# Altium PCB PCB1.PcbDoc (part 2 of 2)
Units mm, origin at the board's own origin, x right, y up, seen from the top; angles counter-clockwise.
Board outline 95 x 50 mm, 4 copper layers (Top Layer, GND02, PWR03, Bottom Layer), stack 0.603 mm thick; 238 components, 164 nets, 720 pads, 505 vias.
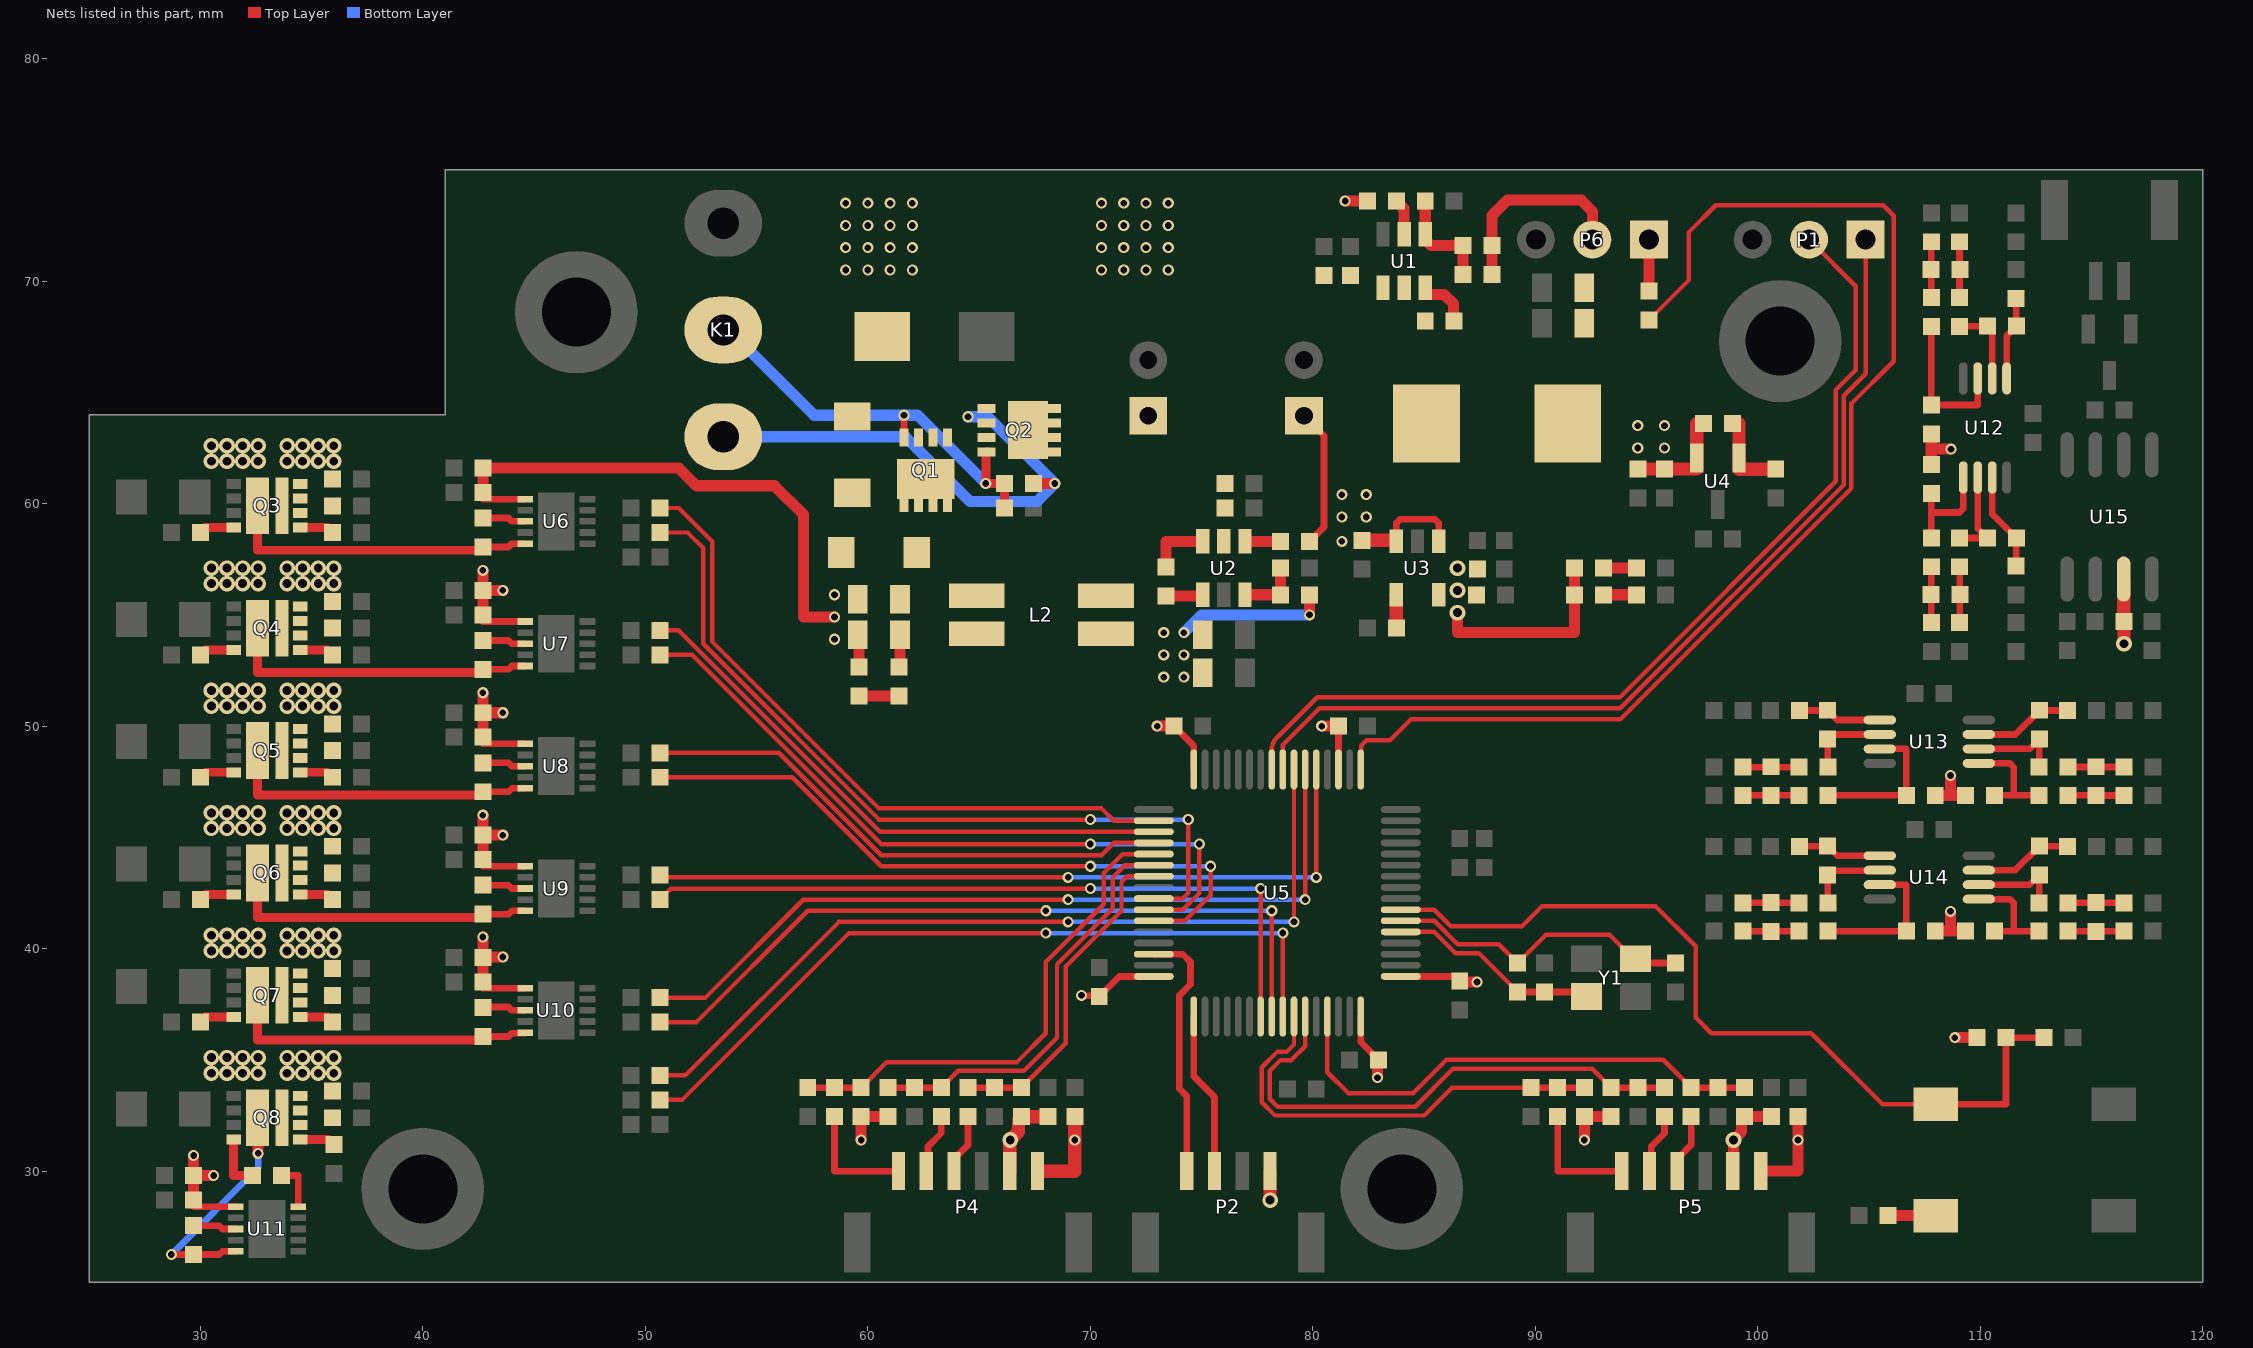
[diagram p4: the nets of this part, all layers, seen from the top]

## Via types
v1: diameter 0.5, hole 0.3, Top Layer to Bottom Layer, tented both sides, 292 vias
v2: diameter 0.7, hole 0.4, Top Layer to Bottom Layer, tented both sides, 213 vias

## Nets (pads, with @x,y where several pads share a name; then routed paths per layer and width w, separated by ;. In a path a pad name is that pad's centre, name@x,y a point inside that pad or via, vN(x,y) a via of type N, cw(c..) or ccw(c..) an arc to the next point about the centre after c; other vN are vias at no path point) (continued)
LO2_W: R45.1 U11.10 | length 2.1
  Top Layer w0.3: R45.1@33.65,29.8 34.4,29.8 U11.10@34.4,28.401
NetC1_1: C1.1 K1.2 Q1.S Q2.S | length 22.5
  Top Layer w0.5: C1.1@67.45,60.9 v1(68.4,60.9)
  Bottom Layer w0.5: K1.2@53.5,63 61.7,63 64.6,60.1 67.6,60.1 v1(68.4,60.9) 65.4,63.9 v1(64.5,63.9)
NetC1_2: C1.2 K1.1 Q1.G Q2.G R1.1 | length 19.1
  Top Layer w0.3: Q1.G@61.625,62.97 v1(61.625,63.97)
  Top Layer w0.4: Q2.G@65.33,62.325 65.315,62.325 65.315,60.915 v1(65.3,60.9) C1.2@66.15,60.9 R1.1@66.15,59.8
  Bottom Layer w0.5: K1.1@53.5,67.8 53.75,67.8 57.58,63.97 v1(61.625,63.97) 62.23,63.97 v1(65.3,60.9)
NetC6_1: C6.1 U1.6 | length 2.5
  Top Layer w0.5: U1.6@85.05,69.7 85.05,69.45 85.1,69.4 85.9,69.4 86.314,68.986 86.314,68.236 C6.1@86.35,68.2
NetC6_2: C6.2 L1.1 U1.5 | length 0.1
  Top Layer w0.254: L1.1@85.05,63.65 L1.1@85.1,63.6
NetC9_1: C9.1 R3.1 R4.1 U1.1 | length 4.9
  Top Layer w0.5: R4.1@85.05,73.6 85.05,71.85 85.3,71.6 R3.1@86.75,71.6 C9.1@86.75,70.3
NetC12_1: C12.1 U2.1 | length 1.7
  Top Layer w0.5: C12.1@73.4,55.85 75,55.85 U2.1@75.05,55.9
NetC12_2: C12.2 L2.2 U2.6 | length 2.8
  Top Layer w0.5: C12.2@73.4,57.15 73.4,58.3 U2.6@75.05,58.3
NetC22_2: C22.2 U3.4 | length 1.5
  Top Layer w0.6: C22.2@83.7,54.45 83.731,54.481 83.75,54.481 U3.4@83.75,55.9
NetC33_1: C33.1 U6.3 | length 2
  Top Layer w0.3: C33.1@42.7,59.35 43.85,59.35 44,59.2 U6.3@44.6,59.2
NetC34_1: C34.1 U7.3 | length 2
  Top Layer w0.3: C34.1@42.7,53.85 43.85,53.85 44,53.7 U7.3@44.6,53.7
NetC35_1: C35.1 U8.3 | length 2
  Top Layer w0.3: C35.1@42.7,48.35 43.85,48.35 44,48.2 U8.3@44.6,48.2
NetC48_1: C48.1 U9.3 | length 2
  Top Layer w0.3: C48.1@42.7,42.85 43.85,42.85 44,42.7 U9.3@44.6,42.7
NetC49_1: C49.1 U10.3 | length 2
  Top Layer w0.3: C49.1@42.7,37.375 43.85,37.375 44,37.225 U10.3@44.6,37.225
NetC50_1: C50.1 U11.3 | length 2
  Top Layer w0.3: C50.1@29.7,27.55 30.85,27.55 31,27.4 U11.3@31.6,27.4
NetC64_1: C64.1 R58.2 R59.1 | length 2.5
  Top Layer w0.3: R59.1@109.06,69.255 R58.2@109.06,71.765
NetC64_2: C64.2 R50.2 R51.1 | length 2.5
  Top Layer w0.3: R51.1@107.79,69.255 R50.2@107.79,71.765
NetC65_1: C65.1 R61.2 R62.1 | length 2.5
  Top Layer w0.3: R61.2@109.06,54.65 109.068,54.657 109.068,57.152 R62.1@109.06,57.16
NetC65_2: C65.2 R53.2 R54.1 | length 2.5
  Top Layer w0.3: C65.2@107.775,55.905 107.79,55.905 R54.1@107.79,57.16 ; C65.2@107.783,55.898 107.783,54.657 R53.2@107.79,54.65
NetC69_1: C69.1 R72.2 R73.1 | length 2.5
  Top Layer w0.3: R72.2@99.333,48.157 R73.1@101.843,48.157
NetC69_2: C69.2 R64.2 R65.1 | length 2.5
  Top Layer w0.3: R64.2@99.333,46.887 R65.1@101.843,46.887
NetC70_1: C70.1 R75.2 R76.1 | length 2.5
  Top Layer w0.3: R76.1@113.938,48.157 113.946,48.165 116.441,48.165 R75.2@116.448,48.157
NetC70_2: C70.2 R67.2 R68.1 | length 2.5
  Top Layer w0.3: R68.1@113.938,46.887 115.193,46.887 C70.2@115.193,46.872 ; C70.2@115.2,46.88 116.441,46.88 R67.2@116.448,46.887
NetC74_1: C74.1 R86.2 R87.1 | length 2.5
  Top Layer w0.3: R86.2@99.333,42.057 R87.1@101.843,42.057
NetC74_2: C74.2 R78.2 R79.1 | length 2.5
  Top Layer w0.3: R78.2@99.333,40.787 R79.1@101.843,40.787
NetC75_1: C75.1 R89.2 R90.1 | length 2.5
  Top Layer w0.3: R90.1@113.938,42.057 113.946,42.065 116.441,42.065 R89.2@116.448,42.057
NetC75_2: C75.2 R81.2 R82.1 | length 2.5
  Top Layer w0.3: R82.1@113.938,40.787 115.193,40.787 C75.2@115.193,40.772 ; C75.2@115.2,40.78 116.441,40.78 R81.2@116.448,40.787
NetD2_1: D2.1 L2.3
NetD3_2: D3.2 R6.1 | length 1.8
  Top Layer w0.5: D3.2@59.6,51.35 R6.1@61.4,51.35
NetD4_2: D4.2 R16.1 | length 1.5
  Top Layer w0.5: D4.2@93.05,57.1 R16.1@94.55,57.1
NetD5_2: D5.2 R17.1 | length 1.5
  Top Layer w0.5: D5.2@93.05,55.9 R17.1@94.55,55.9
NetF1_2: F1.2 Q1.D
NetP4_1: P4.1 R98.2 | length 5.3
  Top Layer w0.3: R98.2@58.5,32.45 58.5,30 P4.1@61.375,30
NetP4_2: P4.2 R99.2 | length 2.7
  Top Layer w0.3: P4.2@62.625,30 62.706,30.081 62.706,31.106 63.3,31.7 R99.2@63.3,32.45
NetP4_3: P4.3 R100.2 | length 2.7
  Top Layer w0.3: P4.3@63.875,30 63.875,30.55 64.5,31.175 R100.2@64.5,32.45
NetP5_1: P5.1 R104.2 | length 5.3
  Top Layer w0.3: R104.2@91,32.45 91,30 P5.1@93.875,30
NetP5_2: P5.2 R105.2 | length 2.7
  Top Layer w0.3: P5.2@95.125,30 95.206,30.081 95.206,31.106 95.8,31.7 R105.2@95.8,32.45
NetP5_3: P5.3 R106.2 | length 2.7
  Top Layer w0.3: P5.3@96.375,30 96.375,30.55 97,31.175 R106.2@97,32.45
NetP6_1: P6.1 R107.2 | length 2.3
  Top Layer w0.5: R107.2@95.1,69.55 95.1,71.859 P6.1@95.104,71.863
NetQ3_G1: Q3.G1 R24.2 | length 1.5
  Top Layer w0.4: Q3.G1@34.5,58.925 35.725,58.925 R24.2@35.95,58.7
NetQ3_G2: Q3.G2 R27.2 | length 1.6
  Top Layer w0.4: R27.2@30,58.7 30.225,58.925 Q3.G2@31.5,58.925
NetQ4_G1: Q4.G1 R25.2 | length 1.5
  Top Layer w0.4: Q4.G1@34.5,53.425 35.725,53.425 R25.2@35.95,53.2
NetQ4_G2: Q4.G2 R28.2 | length 1.6
  Top Layer w0.4: R28.2@30,53.2 30.225,53.425 Q4.G2@31.5,53.425
NetQ5_G1: Q5.G1 R26.2 | length 1.5
  Top Layer w0.4: Q5.G1@34.5,47.925 35.725,47.925 R26.2@35.95,47.7
NetQ5_G2: Q5.G2 R29.2 | length 1.6
  Top Layer w0.4: R29.2@30,47.7 30.225,47.925 Q5.G2@31.5,47.925
NetQ6_G1: Q6.G1 R40.2 | length 1.5
  Top Layer w0.4: Q6.G1@34.5,42.425 35.725,42.425 R40.2@35.95,42.2
NetQ6_G2: Q6.G2 R43.2 | length 1.6
  Top Layer w0.4: R43.2@30,42.2 30.225,42.425 Q6.G2@31.5,42.425
NetQ7_G1: Q7.G1 R41.2 | length 1.5
  Top Layer w0.4: Q7.G1@34.5,36.925 35.725,36.925 R41.2@35.95,36.7
NetQ7_G2: Q7.G2 R44.2 | length 1.6
  Top Layer w0.4: R44.2@30,36.7 30.225,36.925 Q7.G2@31.5,36.925
NetQ8_G1: Q8.G1 R42.2 | length 1.6
  Top Layer w0.4: Q8.G1@34.5,31.425 35.775,31.425 R42.2@36,31.2
NetQ8_G2: Q8.G2 R45.2 | length 2.5
  Top Layer w0.4: Q8.G2@31.5,31.425 31.5,29.8 R45.2@32.35,29.8
NetR2_1: R2.1 U1.2 | length 1.6
  Top Layer w0.5: R2.1@83.75,73.6 84.1,73.25 U1.2@84.1,72.1
NetR5_1: R5.1 U2.4 | length 1.6
  Top Layer w0.5: U2.4@76.95,58.3 R5.1@78.55,58.3
NetR7_1: R7.1 R8.1 U2.3 | length 2.8
  Top Layer w0.5: U2.3@76.95,55.9 R7.1@78.55,55.9 R8.1@78.55,57.1
NetR10_2: R10.2 R11.2 U4.1 | length 4
  Top Layer w0.6: R10.2@98.85,63.6 99.15,63.6 U4.1@99.15,62.05 99.15,61.55 R11.2@100.8,61.55
NetR15_1: R15.1 S2.2 | length 2.1
  Top Layer w0.5: R15.1@105.85,28 S2.2@108,28
NetR51_2: R51.2 R52.1 U12.3 | length 6.8
  Top Layer w0.3: R51.2@107.79,67.955 R52.1@107.79,64.429 109.878,64.429 U12.3@109.878,65.623
NetR54_2: R54.2 R55.1 U12.5 | length 4.9
  Top Layer w0.3: R54.2@107.79,58.46 107.79,59.6 ; R55.1@107.79,60.462 107.79,59.6 ; U12.5@109.228,61.173 109.228,59.776 109.052,59.6 107.79,59.6
NetR56_1: R56.1 R60.2 U12.1 | length 3.8
  Top Layer w0.3: U12.1@111.178,65.623 111.178,67.533 R60.2@111.615,67.97 111.608,67.977 111.608,69.217 R56.1@111.6,69.225
NetR57_1: R57.1 R63.2 U12.7 | length 4.4
  Top Layer w0.3: U12.7@110.528,61.173 110.528,59.532 111.607,58.452 111.607,57.198 R57.1@111.6,57.19
NetR59_2: R59.2 R60.1 U12.2 | length 3.7
  Top Layer w0.3: R59.2@109.06,67.955 109.067,67.963 110.307,67.963 110.528,67.742 U12.2@110.528,65.623
NetR62_2: R62.2 R63.1 U12.6 | length 4.1
  Top Layer w0.3: R62.2@109.06,58.46 109.068,58.452 110.307,58.452 109.878,58.882 U12.6@109.878,61.173
NetR65_2: R65.2 R66.1 U13.3 | length 6.8
  Top Layer w0.3: R65.2@103.143,46.887 R66.1@106.669,46.887 106.669,48.975 U13.3@105.475,48.975
NetR68_2: R68.2 R69.1 U13.5 | length 4.9
  Top Layer w0.3: U13.5@109.925,48.325 111.322,48.325 111.498,48.149 111.498,46.887 ; R69.1@110.636,46.887 111.498,46.887 ; R68.2@112.638,46.887 111.498,46.887
NetR70_1: R70.1 R74.2 U13.1 | length 3.8
  Top Layer w0.3: R70.1@101.873,50.697 101.881,50.705 103.121,50.705 R74.2@103.128,50.712 103.565,50.275 U13.1@105.475,50.275
NetR71_1: R71.1 R77.2 U13.7 | length 4.4
  Top Layer w0.3: U13.7@109.925,49.625 111.566,49.625 112.646,50.704 113.9,50.704 R71.1@113.908,50.697
NetR73_2: R73.2 R74.1 U13.2 | length 3.7
  Top Layer w0.3: R73.2@103.143,48.157 103.136,48.164 103.136,49.404 R74.1@103.128,49.412 103.341,49.625 U13.2@105.475,49.625
NetR76_2: R76.2 R77.1 U13.6 | length 4.1
  Top Layer w0.3: U13.6@109.925,48.975 112.216,48.975 112.646,49.404 112.646,48.165 R76.2@112.638,48.157
NetR79_2: R79.2 R80.1 U14.3 | length 6.8
  Top Layer w0.3: R79.2@103.143,40.787 R80.1@106.669,40.787 106.669,42.875 U14.3@105.475,42.875
NetR82_2: R82.2 R83.1 U14.5 | length 4.9
  Top Layer w0.3: U14.5@109.925,42.225 111.322,42.225 111.498,42.049 111.498,40.787 ; R83.1@110.636,40.787 111.498,40.787 ; R82.2@112.638,40.787 111.498,40.787
NetR84_1: R84.1 R88.2 U14.1 | length 3.8
  Top Layer w0.3: R84.1@101.873,44.597 101.881,44.605 103.121,44.605 R88.2@103.128,44.612 103.565,44.175 U14.1@105.475,44.175
NetR85_1: R85.1 R91.2 U14.7 | length 4.4
  Top Layer w0.2: R85.1@113.9,44.604 R85.1@113.908,44.597
  Top Layer w0.3: U14.7@109.925,43.525 111.566,43.525 112.646,44.604 R85.1@113.9,44.604
NetR87_2: R87.2 R88.1 U14.2 | length 3.7
  Top Layer w0.3: R87.2@103.143,42.057 103.136,42.064 103.136,43.304 R88.1@103.128,43.312 103.322,43.506 105.456,43.506 U14.2@105.475,43.525
NetR90_2: R90.2 R91.1 U14.6 | length 4.1
  Top Layer w0.3: U14.6@109.925,42.875 112.216,42.875 112.646,43.304 112.646,42.065 R90.2@112.638,42.057
NRST: C32.2 R14.2 S1.2 U5.7 | length 38.1
  Top Layer w0.2: U5.7@83.95,41.75 85.45,41.75 86.2,41 89.4,41 90.3,41.9 95.4,41.9 97.2,40.1 97.2,36.9 97.9,36.2 102.4,36.2 105.6,33 S1.2@108,33
  Top Layer w0.3: S1.2@108,33 111.15,33 R14.2@111.15,36 C32.2@112.85,36
SWCLK: P2.2 U5.49 | length 7.3
  Top Layer w0.3: U5.49@74.65,36.95 74.65,34.25 75.575,33.325 P2.2@75.575,30
SWDIO: P2.1 U5.46 | length 11.5
  Top Layer w0.3: U5.46@72.85,39.75 74.15,39.75 74.5,39.4 74.5,38.4 74,37.9 74,33.7 74.325,33.375 P2.1@74.325,30
TIM1_CH1: R18.1 U5.41 | length 36.6
  Top Layer w0.2: R18.1@50.65,58.7 51.9,58.7 52.6,58 52.6,53.7 60.5,45.8 v1(70,45.8) ; U5.41@72.85,42.25 74.15,42.25 74.4,42.5 v1(74.4,45.8)
  Bottom Layer w0.2: v1(70,45.8) v1(74.4,45.8)
TIM1_CH1N: R19.1 U5.34 | length 30.7
  Top Layer w0.2: R19.1@50.65,59.8 51.5,59.8 53,58.3 53,53.8 60.5,46.3 70.5,46.3 71.05,45.75 U5.34@72.85,45.75
TIM1_CH2: R20.1 U5.42 | length 32.3
  Top Layer w0.2: R20.1@50.65,53.2 52.1,53.2 60.6,44.7 v1(70,44.7) ; U5.42@72.85,41.75 74.15,41.75 74.9,42.5 v1(74.9,44.7)
  Bottom Layer w0.2: v1(70,44.7) v1(74.9,44.7)
TIM1_CH2N: R21.1 U5.35 | length 25.9
  Top Layer w0.2: R21.1@50.65,54.3 51.5,54.3 60.55,45.25 U5.35@72.85,45.25
TIM1_CH3: R22.1 U5.43 | length 30.7
  Top Layer w0.2: R22.1@50.65,47.7 56.6,47.7 60.6,43.7 v1(70,43.7) ; U5.43@72.85,41.25 74.25,41.25 75.4,42.4 v1(75.4,43.7)
  Bottom Layer w0.2: v1(70,43.7) v1(75.4,43.7)
TIM1_CH3N: R23.1 U5.36 | length 24.3
  Top Layer w0.2: R23.1@50.65,48.8 56,48.8 60.6,44.2 70.5,44.2 71.05,44.75 U5.36@72.85,44.75
TIM2_CH4: R107.1 U5.17 | length 55.5
  Top Layer w0.2: U5.17@82.15,48.05 82.169,48.069 82.169,49.13 82.408,49.369 83.469,49.369 84.4,50.3 93.813,50.3 104.2,60.687 104.2,64.5 106.1,66.4 106.1,72.932 105.632,73.4 98.1,73.4 96.9,72.2 96.9,70.05 R107.1@95.1,68.25
TIM3_CH1: C81.2 R95.1 R98.1 U5.37 | length 22.6
  Top Layer w0.2: R95.1@59.7,33.75 60.85,34.9 66.7,34.9 68,36.2 68,39.4 70.6,42 70.6,43.4 71.45,44.25 U5.37@72.85,44.25
  Top Layer w0.3: C81.2@57.3,33.75 R98.1@58.5,33.75 R95.1@59.7,33.75
TIM3_CH2: C82.2 R96.1 R99.1 U5.38 | length 18.8
  Top Layer w0.2: R99.1@63.3,33.75 64.065,34.516 67.016,34.516 68.5,36 68.5,39.3 71,41.8 71,43.2 71.55,43.75 U5.38@72.85,43.75
  Top Layer w0.3: R96.1@60.9,33.75 R99.1@63.3,33.75
TIM3_CH3: C83.2 R97.1 R100.1 U5.39 | length 15.1
  Top Layer w0.2: R97.1@66.9,33.75 68.9,35.75 68.9,39.2 71.4,41.7 71.4,43 71.65,43.25 U5.39@72.85,43.25
  Top Layer w0.3: R100.1@64.5,33.75 C83.2@65.7,33.75 R97.1@66.9,33.75
TIM4_CH1: C86.2 R101.1 R104.1 U5.58 | length 20
  Top Layer w0.2: U5.58@79.15,36.95 79.15,35.688 78.836,35.374 78.41,35.374 77.7,34.664 77.7,33.1 78.3,32.5 85,32.5 86.25,33.75 C86.2@89.8,33.75
  Top Layer w0.3: C86.2@89.8,33.75 R104.1@91,33.75 R101.1@92.2,33.75
TIM4_CH2: C87.2 R102.1 R105.1 U5.59 | length 23.6
  Top Layer w0.2: U5.59@79.65,36.95 79.65,35.608 79.034,34.992 78.548,34.992 78.055,34.499 78.055,33.256 78.411,32.9 84.6,32.9 86.3,34.6 92.55,34.6 R102.1@93.4,33.75
  Top Layer w0.3: R102.1@93.4,33.75 C87.2@94.6,33.75 R105.1@95.8,33.75
TIM4_CH3: C88.2 R103.1 R106.1 U5.61 | length 22.8
  Top Layer w0.2: U5.61@80.65,36.95 80.65,34.45 81.6,33.5 84.5,33.5 86,35 95.75,35 R106.1@97,33.75
  Top Layer w0.3: R106.1@97,33.75 C88.2@98.2,33.75 R103.1@99.4,33.75
TIM10_CH1: R34.1 U5.55 | length 32.8
  Top Layer w0.2: R34.1@50.65,42.2 50.931,42.481 51.119,42.669 51.135,42.669 51.166,42.7 v1(70,42.7) ; U5.55@77.65,36.95 v1(77.65,42.7)
  Bottom Layer w0.2: v1(70,42.7) v1@77.5,42.7
TIM10_CH1N: R35.1 U5.21 | length 34.4
  Top Layer w0.2: R35.1@50.65,43.3 50.75,43.2 v1(69,43.2) ; v1@80.15,43.162 U5.21@80.15,48.05
  Bottom Layer w0.2: v1(69,43.2) v1(80.15,43.2)
TIM10_CH2: R36.1 U5.56 | length 34.3
  Top Layer w0.2: R36.1@50.65,36.7 52.3,36.7 57.3,41.7 v1(68,41.7) ; U5.56@78.15,36.95 v1(78.15,41.7)
  Bottom Layer w0.2: v1(68,41.7) v1(78.15,41.7)
TIM10_CH2N: R37.1 U5.22 | length 36.8
  Top Layer w0.2: R37.1@50.65,37.8 52.7,37.8 57.1,42.2 v1(69,42.2) ; v1@79.65,42.096 U5.22@79.65,48.05
  Bottom Layer w0.2: v1(69,42.2) v1(79.65,42.2)
TIM10_CH3: R38.1 U5.57 | length 34.9
  Top Layer w0.2: R38.1@50.65,33.2 51.65,33.2 59.15,40.7 v1(68,40.7) ; U5.57@78.65,36.95 v1(78.65,40.7)
  Bottom Layer w0.2: v1(68,40.7) v1(78.65,40.7)
TIM10_CH3N: R39.1 U5.23 | length 38.2
  Top Layer w0.2: R39.1@50.65,34.3 51.8,34.3 58.7,41.2 v1(69,41.2) ; v1(79.15,41.2) U5.23@79.15,48.05
  Bottom Layer w0.2: v1(69,41.2) v1(79.15,41.2)
UART8_RX: P1.2 U5.25 | length 43.5
  Top Layer w0.2: U5.25@78.15,48.05 U5.25@78.15,48.937 ; U5.25@78.15,48.938 cw(c78.904,48.938) 78.371,49.471 80.2,51.3 93.8,51.3 103.5,61 103.5,65.1 104.4,66 104.4,69.763 P1.2@102.3,71.863
UART8_TX: P1.1 U5.24 | length 42.6
  Top Layer w0.2: U5.24@78.65,48.05 78.65,49.15 80.3,50.8 93.818,50.8 103.85,60.832 103.85,64.85 104.84,65.84 P1.1@104.84,71.863
VBAT: C2.1 C3.1 C4.2 C5.2 C10.2 C11.2 C42.2 C43.2 C44.2 C45.2 C46.2 C47.2 C57.2 C58.2 C59.2 C60.2 C61.2 C62.2 Q2.D Q3.D1 Q4.D1 Q5.D1 Q6.D1 Q7.D1 Q8.D1 R2.2 R5.2 U1.4 U2.5 | length 7.3
  Top Layer w0.3: C3.1@79.6,63.95 80.5,63.05 80.5,58.95 R5.2@79.85,58.3
  Top Layer w0.5: v1(81.45,73.6) R2.2@82.45,73.6
  other v1: 70.5,70.5 71.5,70.5 72.5,70.5 73.5,70.5 70.5,71.5 71.5,71.5 72.5,71.5 73.5,71.5 70.5,72.5 71.5,72.5 72.5,72.5 73.5,72.5 70.5,73.5 71.5,73.5 72.5,73.5 73.5,73.5
  other v2: 33.9,34.4 34.6,34.4 35.3,34.4 36,34.4 33.9,35.1 34.6,35.1 35.3,35.1 36,35.1 33.9,39.9 34.6,39.9 35.3,39.9 36,39.9 33.9,40.6 34.6,40.6 35.3,40.6 36,40.6 33.9,45.4 34.6,45.4 35.3,45.4 36,45.4 33.9,46.1 34.6,46.1 35.3,46.1 36,46.1 33.9,50.9 34.6,50.9 35.3,50.9 36,50.9 33.9,51.6 34.6,51.6 35.3,51.6 36,51.6 33.9,56.4 34.6,56.4 35.3,56.4 36,56.4 33.9,57.1 34.6,57.1 35.3,57.1 36,57.1 33.9,61.9 34.6,61.9 35.3,61.9 36,61.9 33.9,62.6 34.6,62.6 35.3,62.6 36,62.6
VCC_3V3: C18.2 C24.2 C25.2 C26.2 C27.2 C28.2 C80.2 C85.2 D4.1 D5.1 FB1.1 P2.4 P4.5 P5.5 R14.1 R95.2 R96.2 R97.2 R101.2 R102.2 R103.2 U3.5 U5.1 U5.19 U5.32 U5.48 U5.64 | length 39.6
  Top Layer w0.3: v1(69.6,37.9) 69.625,37.875 70.375,37.875 C26.2@70.4,37.85 71.3,38.75 U5.48@72.85,38.75 ; C25.2@73.75,50 74.65,49.1 U5.32@74.65,48.05 ; U5.19@81.15,48.05 C27.2@81.15,50 ; U5.64@82.15,36.95 82.15,35.8 C28.2@82.95,35 ; U5.1@83.95,38.75 86.5,38.75 C24.2@86.6,38.649
  Top Layer w0.5: v1(59.7,31.4) R95.2@59.7,32.45 R96.2@60.9,32.45 ; v1(73,50) C25.2@73.75,50 ; v1(80.4,50) C27.2@81.15,50 ; v1(82.9,34.2) 82.9,34.95 C28.2@82.95,35 ; v2(86.5,55.1) 86.5,54.2 91.75,54.2 D5.1@91.75,55.9 D4.1@91.75,57.1 ; C24.2@86.6,38.649 C24.2@86.65,38.6 ; C24.2@86.65,38.5 v1(87.373,38.5) ; v1(92.2,31.4) R101.2@92.2,32.45 R102.2@93.4,32.45 ; P5.5@98.875,30 98.9,30.025 v2(98.9,31.4) 99.269,31.769 99.269,32.319 R103.2@99.4,32.45 C85.2@100.6,32.45 ; v1(108.85,36) R14.1@109.85,36
  Top Layer w0.6: P4.5@66.375,30 66.375,31.348 66.381,31.354 66.381,31.369 v2@66.375,31.375 ; v2(66.4,31.4) 66.769,31.769 66.769,32.319 R97.2@66.9,32.45 C80.2@68.1,32.45 ; v2(78.075,28.7) P2.4@78.075,30
  other v2: 86.5,56.1 86.5,57.1
VCC_5V: C13.2 C14.2 C15.1 C16.1 C17.2 C78.1 C79.2 C84.2 L2.1 L2.4 P4.6 P5.6 R6.2 R7.2 U3.1 U3.3 U15.3 | length 24.8
  Top Layer w0.3: U3.3@83.75,58.3 83.75,58.35 83.75,59.124 83.926,59.3 85.474,59.3 85.65,59.124 U3.1@85.65,58.3
  Top Layer w0.5: R6.2@61.4,52.65 61.45,52.65 C16.1@61.45,54.1 ; v1(79.85,55) R7.2@79.85,55.9 ; P5.6@100.125,30 101.8,30 v1(101.8,31.4) C84.2@101.8,32.45
  Top Layer w0.6: P4.6@67.625,30 69.3,30 v1(69.3,31.4) C79.2@69.3,32.45 ; C17.2@82.2,58.35 U3.3@83.75,58.35 ; U15.3@116.435,56.606 116.437,56.604 116.437,54.713 C78.1@116.45,54.7 v2(116.45,53.7)
  Bottom Layer w0.5: v1(74.2,54.2) 75,55 v1(79.85,55)
  other v1: 73.3,52.2 74.2,52.2 73.3,53.2 74.2,53.2 73.3,54.2 81.3,58.3 81.3,59.4 82.4,59.4 81.3,60.4 82.4,60.4
VCC_6V: C7.2 C8.2 C9.2 L1.2 P6.2 R3.2 | length 8.9
  Top Layer w0.5: C9.2@88.05,70.3 R3.2@88.05,71.6 88.05,72.937 88.753,73.64 92.057,73.64 92.564,73.133 P6.2@92.564,71.863
VCC_10V: C15.2 C16.2 C36.1 C37.1 C38.1 C39.1 C40.1 C41.1 C51.1 C52.1 C53.1 C54.1 C55.1 C56.1 D2.2 D3.1 U6.1 U7.1 U8.1 U9.1 U10.1 U11.1 | length 51.6
  Top Layer w0.3: C56.1@29.7,28.7 29.7,28.401 U11.1@31.6,28.401 ; C53.1@42.7,38.525 42.7,38.226 U10.1@44.6,38.226 ; C52.1@42.7,44 42.7,43.701 U9.1@44.6,43.701 ; C41.1@42.7,49.5 42.7,49.201 U8.1@44.6,49.201 ; C39.1@42.7,55 42.7,54.701 U7.1@44.6,54.701 ; C37.1@42.7,60.5 42.7,60.201 U6.1@44.6,60.201
  Top Layer w0.5: C56.1@29.7,28.7 C55.1@29.7,29.8 ; v1(29.7,30.7) C55.1@29.7,29.8 ; v1(30.6,29.8) C55.1@29.7,29.8 ; C53.1@42.7,38.525 C54.1@42.7,39.625 ; v1(42.7,40.525) C54.1@42.7,39.625 ; C52.1@42.7,44 C51.1@42.7,45.1 ; v1(42.7,46) C51.1@42.7,45.1 ; C41.1@42.7,49.5 C40.1@42.7,50.6 ; v1(42.7,51.5) C40.1@42.7,50.6 ; C39.1@42.7,55 C38.1@42.7,56.1 ; v1(42.7,57) C38.1@42.7,56.1 ; C37.1@42.7,60.5 C36.1@42.7,61.6 51.5,61.6 52.3,60.8 55.8,60.8 57.1,59.5 57.1,54.9 v1(58.5,54.9) ; v1(43.6,39.625) C54.1@42.7,39.625 ; v1(43.6,45.1) C51.1@42.7,45.1 ; v1(43.6,50.6) C40.1@42.7,50.6 ; v1(43.6,56.1) C38.1@42.7,56.1 ; C16.2@59.55,54.1 59.6,54.1 D3.1@59.6,52.65
  other v1: 58.5,53.9 58.5,55.9
VIN: D1.2 F1.1
  other v1: 59,70.5 60,70.5 61,70.5 62,70.5 59,71.5 60,71.5 61,71.5 62,71.5 59,72.5 60,72.5 61,72.5 62,72.5 59,73.5 60,73.5 61,73.5 62,73.5
VREF_1V65: C21.2 R9.1 R10.1 R52.2 R55.2 R66.2 R69.2 R80.2 R83.2 U4.2 | length 11.8
  Top Layer w0.5: R55.2@107.79,61.762 107.79,62.446 ; R52.2@107.79,63.129 107.79,62.446 ; R80.2@107.969,40.787 108.653,40.787 ; R66.2@107.969,46.887 108.653,46.887 ; v1(108.653,41.676) 108.653,40.787 ; v1(108.653,47.776) 108.653,46.887 ; v1(108.679,62.446) 107.79,62.446 ; R83.2@109.336,40.787 108.653,40.787 ; R69.2@109.336,46.887 108.653,46.887
  Top Layer w0.6: R9.1@94.6,61.55 97.25,61.55 U4.2@97.25,62.05 97.25,63.6 R10.1@97.55,63.6
  other v1: 94.6,62.5 95.8,62.5 94.6,63.5 95.8,63.5
VS1_U: C33.2 Q3.S1/D2 U6.5 | length 14.2
  Top Layer w0.3: C33.2@42.7,58.05 43.85,58.05 44.001,58.201 U6.5@44.6,58.201
  Top Layer w0.4: Q3.S1/D2@32.567,59.9 32.567,57.9 42.7,57.9 C33.2@42.7,58.05
  other v2: 30.5,61.9 31.2,61.9 31.9,61.9 32.6,61.9 30.5,62.6 31.2,62.6 31.9,62.6 32.6,62.6
VS1_V: C34.2 Q4.S1/D2 U7.5 | length 14.2
  Top Layer w0.3: C34.2@42.7,52.55 43.85,52.55 44.001,52.701 U7.5@44.6,52.701
  Top Layer w0.4: Q4.S1/D2@32.567,54.4 32.567,52.4 42.7,52.4 C34.2@42.7,52.55
  other v2: 30.5,56.4 31.2,56.4 31.9,56.4 32.6,56.4 30.5,57.1 31.2,57.1 31.9,57.1 32.6,57.1
VS1_W: C35.2 Q5.S1/D2 U8.5 | length 14.2
  Top Layer w0.3: C35.2@42.7,47.05 43.85,47.05 44.001,47.201 U8.5@44.6,47.201
  Top Layer w0.4: Q5.S1/D2@32.567,48.9 32.567,46.9 42.7,46.9 C35.2@42.7,47.05
  other v2: 30.5,50.9 31.2,50.9 31.9,50.9 32.6,50.9 30.5,51.6 31.2,51.6 31.9,51.6 32.6,51.6
VS2_U: C48.2 Q6.S1/D2 U9.5 | length 14.2
  Top Layer w0.3: C48.2@42.7,41.55 43.85,41.55 44.001,41.701 U9.5@44.6,41.701
  Top Layer w0.4: Q6.S1/D2@32.567,43.4 32.567,41.4 42.7,41.4 C48.2@42.7,41.55
  other v2: 30.5,45.4 31.2,45.4 31.9,45.4 32.6,45.4 30.5,46.1 31.2,46.1 31.9,46.1 32.6,46.1
VS2_V: C49.2 Q7.S1/D2 U10.5 | length 14.2
  Top Layer w0.3: C49.2@42.7,36.05 43.85,36.05 44.001,36.201 U10.5@44.6,36.201
  Top Layer w0.4: Q7.S1/D2@32.567,37.9 32.567,35.9 42.7,35.9 C49.2@42.7,36.05
  other v2: 30.5,39.9 31.2,39.9 31.9,39.9 32.6,39.9 30.5,40.6 31.2,40.6 31.9,40.6 32.6,40.6
VS2_W: C50.2 Q8.S1/D2 U11.5 | length 10.7
  Top Layer w0.3: v1(28.7,26.25) C50.2@29.7,26.25 30.85,26.25 31.001,26.401 U11.5@31.6,26.401
  Top Layer w0.5: Q8.S1/D2@32.567,32.4 32.6,32.367 v1(32.6,30.8)
  Bottom Layer w0.3: v1(28.7,26.25) 32.6,30.15 v1(32.6,30.8)
  other v2: 30.5,34.4 31.2,34.4 31.9,34.4 32.6,34.4 30.5,35.1 31.2,35.1 31.9,35.1 32.6,35.1
XTAL1: C23.2 R12.2 U5.5 Y1.1 | length 9.6
  Top Layer w0.2: U5.5@83.95,40.75 85.45,40.75 86.4,39.8 87.45,39.8 R12.2@89.2,38.05
  Top Layer w0.3: R12.2@89.2,38.05 C23.2@90.4,38.05 92.1,38.05 Y1.1@92.3,37.85
XTAL2: C29.2 R12.1 U5.6 Y1.3 | length 14.2
  Top Layer w0.2: U5.6@83.95,41.25 85.45,41.25 86.5,40.2 88.35,40.2 R12.1@89.2,39.35 90.465,40.615 93.335,40.615 94.6,39.35 Y1.3@94.7,39.35
  Top Layer w0.3: Y1.3@94.7,39.35 C29.2@96.3,39.35
pads on no net: K1.3 U5.3 U5.4 U5.11 U5.20 U5.28 U5.29 U5.30 U5.40 U5.50 U5.51 U5.52 U5.53 U5.62 U6.2 U7.2 U8.2 U9.2 U10.2 U11.2 U15.5

## Polygon pours and split planes (outlines as drawn)
GND on GND02 (split plane): 119.49,25.51 25.51,25.51 25.51,63.49 41,63.49 41.1,63.499 41.195,63.528 41.284,63.576 41.361,63.639 41.424,63.716 41.472,63.805 41.501,63.9 41.51,64 41.51,74.49 106.571,74.49 106.571,63.229 99.929,63.229 99.929,64.3 99.92,64.35 99.892,64.392 99.85,64.42 99.8,64.429 93.8,64.429 93.75,64.42 93.708,64.392 93.68,64.35 93.671,64.3 93.671,60.029 88,60.029 87.95,60.02 87.908,59.992 87.88,59.95 87.871,59.9 87.88,59.85 87.908,59.808 87.95,59.78 88,59.771 93.8,59.771 93.85,59.78 93.892,59.808 93.92,59.85 93.929,59.9 93.929,64.171 99.671,64.171 99.671,63.1 99.68,63.05 99.708,63.008 99.75,62.98 99.8,62.971 106.7,62.971 106.75,62.98 106.792,63.008 106.82,63.05 106.829,63.1 106.829,74.49 112.871,74.49 112.871,52 112.88,51.95 112.908,51.908 112.95,51.88 113,51.871 118.171,51.871 118.171,37.329 97.629,37.329 97.629,41.4 97.62,41.45 97.592,41.492 97.55,41.52 97.5,41.529 83.029,41.529 83.029,48.971 88,48.971 88.05,48.98 88.092,49.008 88.12,49.05 88.129,49.1 88.129,54.6 88.129,58.9 88.12,58.95 88.092,58.992 88.05,59.02 88,59.029 87.95,59.02 87.908,58.992 87.88,58.95 87.871,58.9 87.871,54.6 87.871,49.229 82.9,49.229 82.85,49.22 82.808,49.192 82.78,49.15 82.771,49.1 82.771,41.4 82.78,41.35 82.808,41.308 82.85,41.28 82.9,41.271 97.371,41.271 97.371,37.2 97.38,37.15 97.408,37.108 97.45,37.08 97.5,37.071 118.3,37.071 118.35,37.08 118.392,37.108 118.42,37.15 118.429,37.2 118.429,52 118.42,52.05 118.392,52.092 118.35,52.12 118.3,52.129 113.129,52.129 113.129,74.49 119.49,74.49
VBAT on PWR03 (split plane): 83.071,61.479 80.7,61.479 80.65,61.47 80.608,61.442 80.58,61.4 80.571,61.35 80.571,59.129 77.7,59.129 77.65,59.12 77.608,59.092 77.58,59.05 77.571,59 77.571,55.18 70.1,55.18 70.05,55.17 70.008,55.142 69.98,55.1 69.971,55.05 69.971,51.329 65.6,51.329 65.55,51.32 65.508,51.292 65.48,51.25 65.471,51.2 65.471,36.529 55.2,36.529 55.15,36.52 55.108,36.492 55.08,36.45 55.071,36.4 55.071,25.51 25.51,25.51 25.51,63.49 41,63.49 41.1,63.499 41.195,63.528 41.284,63.576 41.361,63.639 41.424,63.716 41.472,63.805 41.501,63.9 41.51,64 41.51,74.49 83.071,74.49
VCC_10V on PWR03 (split plane): 58.971,53.429 48.8,53.429 48.75,53.42 48.708,53.392 48.68,53.35 48.671,53.3 48.671,31.029 31.2,31.029 31.15,31.02 31.108,30.992 31.08,30.95 31.071,30.9 31.071,29.329 29.329,29.329 29.329,31.471 42.3,31.471 42.35,31.48 42.392,31.508 42.42,31.55 42.429,31.6 42.429,57.471 58.971,57.471
VCC_5V on PWR03 (split plane): 119.49,25.51 55.329,25.51 55.329,36.271 65.6,36.271 65.65,36.28 65.692,36.308 65.72,36.35 65.729,36.4 65.729,51.071 70.1,51.071 70.15,51.08 70.192,51.108 70.22,51.15 70.229,51.2 70.229,54.921 77.7,54.921 77.75,54.931 77.792,54.959 77.82,55.001 77.829,55.05 77.829,58.871 80.7,58.871 80.75,58.88 80.792,58.908 80.82,58.95 80.829,59 80.829,61.221 83.071,61.221 83.071,57.829 80.8,57.829 80.75,57.82 80.708,57.792 80.68,57.75 80.671,57.7 80.671,51.629 72.4,51.629 72.35,51.62 72.308,51.592 72.28,51.55 72.271,51.5 72.271,49.729 67.4,49.729 67.35,49.72 67.308,49.692 67.28,49.65 67.271,49.6 67.271,34.729 56.7,34.729 56.65,34.72 56.608,34.692 56.58,34.65 56.571,34.6 56.571,30.5 56.58,30.45 56.608,30.408 56.65,30.38 56.7,30.371 68.6,30.371 68.65,30.38 68.692,30.408 68.72,30.45 68.729,30.5 68.729,31.971 69.771,31.971 69.771,30.5 69.78,30.45 69.808,30.408 69.85,30.38 69.9,30.371 75.971,30.371 75.971,28 75.98,27.95 76.008,27.908 76.05,27.88 76.1,27.871 79.2,27.871 79.25,27.88 79.292,27.908 79.32,27.95 79.329,28 79.329,32.271 89.071,32.271 89.071,29.5 89.08,29.45 89.108,29.408 89.15,29.38 89.2,29.371 101.3,29.371 101.35,29.38 101.392,29.408 101.42,29.45 101.429,29.5 101.429,32.271 102.471,32.271 102.471,29.5 102.48,29.45 102.508,29.408 102.55,29.38 102.6,29.371 118.3,29.371 118.35,29.38 118.392,29.408 118.42,29.45 118.429,29.5 118.429,52 118.42,52.05 118.392,52.092 118.35,52.12 118.3,52.129 113.129,52.129 113.129,74.49 119.49,74.49
VCC_3V3 on PWR03 (split plane): 106.571,63.229 99.929,63.229 99.929,64.3 99.92,64.35 99.892,64.392 99.85,64.42 99.8,64.429 93.8,64.429 93.75,64.42 93.708,64.392 93.68,64.35 93.671,64.3 93.671,60.029 88,60.029 87.95,60.02 87.908,59.992 87.88,59.95 87.871,59.9 87.871,54.6 87.871,49.229 82.9,49.229 82.85,49.22 82.808,49.192 82.78,49.15 82.771,49.1 82.771,41.4 82.78,41.35 82.808,41.308 82.85,41.28 82.9,41.271 97.371,41.271 97.371,37.2 97.38,37.15 97.408,37.108 97.45,37.08 97.5,37.071 118.171,37.071 118.171,29.629 102.729,29.629 102.729,32.4 102.72,32.45 102.692,32.492 102.65,32.52 102.6,32.529 101.3,32.529 101.25,32.52 101.208,32.492 101.18,32.45 101.171,32.4 101.171,29.629 89.329,29.629 89.329,32.4 89.32,32.45 89.292,32.492 89.25,32.52 89.2,32.529 79.2,32.529 79.15,32.52 79.108,32.492 79.08,32.45 79.071,32.4 79.071,28.129 76.229,28.129 76.229,30.5 76.22,30.55 76.192,30.592 76.15,30.62 76.1,30.629 70.029,30.629 70.029,32.1 70.02,32.15 69.992,32.192 69.95,32.22 69.9,32.229 68.6,32.229 68.55,32.22 68.508,32.192 68.48,32.15 68.471,32.1 68.471,30.629 56.829,30.629 56.829,34.471 67.4,34.471 67.45,34.48 67.492,34.508 67.52,34.55 67.529,34.6 67.529,49.471 72.4,49.471 72.45,49.48 72.492,49.508 72.52,49.55 72.529,49.6 72.529,51.371 80.8,51.371 80.85,51.38 80.892,51.408 80.92,51.45 80.929,51.5 80.929,57.571 83.2,57.571 83.25,57.58 83.292,57.608 83.32,57.65 83.329,57.7 83.329,61.35 83.329,74.49 106.571,74.49
VREF_1V65 on PWR03 (split plane): 99.671,63.1 99.68,63.05 99.708,63.008 99.75,62.98 99.8,62.971 109.171,62.971 109.171,61.929 108.6,61.929 108.55,61.92 108.508,61.892 108.48,61.85 108.471,61.8 108.471,48.5 108.48,48.45 108.508,48.408 108.55,48.38 108.6,48.371 109.171,48.371 109.171,47.229 108.6,47.229 108.55,47.22 108.508,47.192 108.48,47.15 108.471,47.1 108.471,42.3 108.48,42.25 108.508,42.208 108.55,42.18 108.6,42.171 109.071,42.171 109.071,41.229 107.629,41.229 107.629,59 107.62,59.05 107.592,59.092 107.55,59.12 107.5,59.129 95.329,59.129 95.329,59.9 95.32,59.95 95.292,59.992 95.25,60.02 95.2,60.029 93.929,60.029 93.929,64.171 99.671,64.171
AVCC_3V3 on PWR03 (split plane): 112.871,52 112.88,51.95 112.908,51.908 112.95,51.88 113,51.871 118.171,51.871 118.171,37.329 97.629,37.329 97.629,41.4 97.62,41.45 97.592,41.492 97.55,41.52 97.5,41.529 83.029,41.529 83.029,48.971 88,48.971 88.05,48.98 88.092,49.008 88.12,49.05 88.129,49.1 88.129,54.6 88.129,59.771 95.071,59.771 95.071,59 95.08,58.95 95.108,58.908 95.15,58.88 95.2,58.871 107.371,58.871 107.371,41.1 107.38,41.05 107.408,41.008 107.45,40.98 107.5,40.971 109.2,40.971 109.25,40.98 109.292,41.008 109.32,41.05 109.329,41.1 109.329,42.3 109.32,42.35 109.292,42.392 109.25,42.42 109.2,42.429 108.729,42.429 108.729,46.971 109.3,46.971 109.35,46.98 109.392,47.008 109.42,47.05 109.429,47.1 109.429,48.5 109.42,48.55 109.392,48.592 109.35,48.62 109.3,48.629 108.729,48.629 108.729,61.671 109.3,61.671 109.35,61.68 109.392,61.708 109.42,61.75 109.429,61.8 109.429,63.1 109.42,63.15 109.392,63.192 109.35,63.22 109.3,63.229 106.829,63.229 106.829,74.49 112.871,74.49

## Other copper
Top Layer:
  rectangle net GND: 86.2,58.8 89.9,59.8
  rectangle net VREF_1V65: 94.1,61.1 96.4,64
  rectangle net GND: 98.4,58 99.3,60.6
  rectangle net GND: 95.35,59.2 99.8,60.66
  rectangle net GND: 82,53.986 82.9,57.6
  rectangle net GND: 86.9,57.9 89.9,59.8
  rectangle net VCC_3V3: 85.2,54.7 87.8,57.5
  rectangle net AVCC_3V3: 88.2,54.7 90.1,57.5
  rectangle net GND: 84.4,56.6 85,58.9
  rectangle net GND: 79.37,56.6 85,57.6
  rectangle net VCC_5V: 80.95,57.8 82.75,61
  rectangle net VCC_5V: 60.7,53.4 62.1,56.4
  rectangle net VCC_10V: 57.816,53.4 60.3,58.7
  rectangle net NetD2_1: 63.5,55.2 66.2,58.2
  rectangle net NetD2_1: 61.4,56.6 66.2,58.9
  rectangle net GND: 76.5,51.8 79,54.7
  rectangle net VCC_5V: 72.3,51.7 75.5,54.801
  rectangle net VCC_5V: 60.9,53.4 73.9,54.8
  rectangle net NetC12_2: 69.4,57.7 74.6,60.1
  rectangle net NetC12_2: 69.4,55.3 72.7,60.1
  rectangle net NetC12_2: 71.9,57.7 75.4,59
  rectangle net GND: 76.8,59.2 79.6,61.4
  rectangle net GND: 75.7,55.3 76.335,57.5
  rectangle net GND: 74.5,56.7 77.4,57.5
  rectangle net VBAT: 75,59.2 76.6,63.3
  rectangle net VBAT: 75.568,57.734 76.454,62.5
  rectangle net VBAT: 66.2,61.6 82.2,65
  rectangle net VS2_V: 32.044,36.7 33.093,41
  rectangle net GND: 36.8,37.4 41.8,40.1
  rectangle net ISEN2_V: 29,37.342 31.834,39.3
  rectangle net VBAT: 33.394,37.344 36.4,41
  rectangle net VS2_V: 30.1,39.5 33.1,41
  rectangle net VS2_U: 30.1,45 33.1,46.5
  rectangle net GND: 25.6,28.2 28.8,30.3
  rectangle net GND: 36.8,33.9 39.7,35.5
  rectangle net GND: 36.8,31.9 37.8,35.5
  rectangle net VS2_W: 30.1,34 33.1,35.5
  rectangle net VS2_W: 32.044,31.2 33.093,35.5
  rectangle net ISEN2_W: 29,31.842 31.834,33.8
  rectangle net VBAT: 33.394,31.844 36.4,35.5
  rectangle net GND: 25.6,28.2 27.7,62
  rectangle net VBAT: 33.394,42.844 36.4,46.5
  rectangle net ISEN2_U: 29,42.842 31.834,44.8
  rectangle net GND: 36.8,42.9 41.8,45.6
  rectangle net VS2_U: 32.044,42.2 33.093,46.5
  rectangle net VBAT: 33.394,48.344 36.4,52
  rectangle net ISEN1_W: 29,48.342 31.834,50.3
  rectangle net GND: 36.8,48.4 41.8,51.1
  rectangle net VS1_W: 32.044,47.7 33.093,52
  rectangle net VS1_W: 30.1,50.5 33.1,52
  rectangle net VBAT: 33.394,53.844 36.4,57.5
  rectangle net ISEN1_V: 29,53.842 31.834,55.8
  rectangle net GND: 36.8,53.9 41.8,56.6
  rectangle net VS1_V: 32.044,53.2 33.093,57.5
  rectangle net VS1_V: 30.1,56 33.1,57.5
  rectangle net VS1_U: 30.1,61.5 33.1,63
  rectangle net VS1_U: 32.044,58.7 33.093,63
  rectangle net GND: 36.8,59.4 41.8,62.1
  rectangle net ISEN1_U: 29,59.342 31.834,61.3
  rectangle net VBAT: 33.394,59.344 36.4,63
  rectangle net VCC_6V: 89.5,61.6 93.6,65.5
  rectangle net VCC_6V: 91.548,61.6 93.6,72.879
  rectangle net GND: 89.008,67.291 91.04,72.879
  rectangle net NetC6_2: 83.4,61.6 86.8,65.5
  rectangle net NetC6_2: 83.4,61.6 85.5,68.8
  rectangle net NetC6_2: 83.749,63.2 84.456,70.3
  rectangle net GND: 78.9,71.1 83.5,72.9
  rectangle net VBAT: 79.9,69.1 83.5,70.7
  rectangle net VBAT: 80.9,61.603 83,70.7
  rectangle net GND: 74.7,67.9 79.5,74
  rectangle net GND: 63.2,65.3 80.7,68.6
  rectangle net VBAT: 69.5,69 74.3,74
  rectangle net NetC1_1: 62.1,62.7 65.8,65
  rectangle net NetC1_1: 62.067,62.4 64.3,65
  rectangle net NetF1_2: 58.2,59.4 64.3,62.1
  rectangle net VIN: 58,62.7 60.8,67.4
  rectangle net GND: 63.2,65.5 68,74
  rectangle net VIN: 58,65.3 62.8,74
Bottom Layer:
  rectangle net GND: 25.6,30.8 27.5,62
  rectangle net GND: 37.6,37.4 39.8,39.6
  rectangle net GND: 37.6,42.9 39.8,45.1
  rectangle net GND: 37.6,48.4 39.8,50.6
  rectangle net GND: 37.6,53.9 39.8,56.1
  rectangle net GND: 37.6,59.4 39.8,61.6
  rectangle net GND: 36.8,34 39.7,35.5
  rectangle net VBAT: 33.4,34 36.5,35.5
  rectangle net VBAT: 33.4,39.5 36.5,41
  rectangle net VBAT: 33.4,45 36.5,46.5
  rectangle net VBAT: 33.4,50.5 36.5,52
  rectangle net VBAT: 33.4,56 36.5,57.5
  rectangle net VBAT: 33.4,61.5 36.5,63
  rectangle net VS2_V: 29.7,38 33.2,41
  rectangle net VS2_W: 29.7,32.5 33.2,35.5
  rectangle net VS2_U: 29.7,43.5 33.2,46.5
  rectangle net VS1_W: 29.7,49 33.2,52
  rectangle net VS1_V: 29.7,54.5 33.2,57.5
  rectangle net VS1_U: 29.7,60 33.2,63
  rectangle net VBAT: 68.6,62.6 71,74
  rectangle net VBAT: 68.6,61.6 80.7,65
  rectangle net GND: 71.3,65.3 80.7,68.6
  rectangle net VBAT: 68.6,70 74,74
  rectangle net GND: 75,65.3 79,74
  rectangle net GND: 63.5,70 67.5,74
  rectangle net VIN: 58.5,70 62.5,74
GND02 (plane layer: these items are gaps in the copper):
  rectangle: 117.5,42.7 118,43.2
  rectangle: 97.8,42.7 98.3,43.2
  rectangle: 96.9,47.9 97.4,48.4
  rectangle: 117.469,48.8 118,49.349
  rectangle: 109.7,53.1 110.2,53.6
  rectangle: 108.82,73.514 109.328,74.022
  rectangle: 27.6,32.6 28.1,33
  rectangle: 27.6,38.1 28.1,38.5
  rectangle: 27.6,43.6 28.1,44
  rectangle: 27.6,49.1 28.1,49.5
  rectangle: 27.6,54.6 28.1,55
  rectangle: 27.616,60.1 28.1,60.524
  rectangle: 33.9,34.4 36,35.1
  rectangle: 30.5,34.4 32.6,35.1
  rectangle: 33.9,39.9 36,40.6
  rectangle: 30.5,39.9 32.6,40.6
  rectangle: 33.9,45.4 36,46.1
  rectangle: 30.5,45.4 32.6,46.1
  rectangle: 33.9,50.9 36,51.6
  rectangle: 30.5,50.9 32.6,51.6
  rectangle: 33.9,56.4 36,57.1
  rectangle: 30.5,56.4 32.6,57.1
  rectangle: 33.9,61.9 36,62.6
  rectangle: 30.5,61.9 32.6,62.6
  lines w0.254: 88,58.9 88,54.6 88,49.1 82.9,49.1 82.9,41.4 97.5,41.4 97.5,37.2 99.5,37.2 118.3,37.2 118.3,52 113,52 113,75 ; 88,59.9 93.8,59.9 93.8,64.3 99.8,64.3 99.8,63.1 106.7,63.1 106.7,75
PWR03 (plane layer: these items are gaps in the copper):
  rectangle: 79.61,54.718 80.118,55.226
  rectangle: 37.2,34.4 39.3,35.1
  rectangle: 30.5,34.4 32.6,35.1
  rectangle: 38,37.8 39.4,39.2
  rectangle: 30.5,39.9 32.6,40.6
  rectangle: 38,43.3 39.4,44.7
  rectangle: 30.5,45.4 32.6,46.1
  rectangle: 38,48.8 39.4,50.2
  rectangle: 30.5,50.9 32.6,51.6
  rectangle: 38,54.3 39.4,55.7
  rectangle: 30.5,56.4 32.6,57.1
  rectangle: 30.5,61.9 32.6,62.6
  rectangle: 38,59.8 39.4,61.2
  rectangle: 79.61,54.718 80.118,55.226
  lines w0.254: 55.2,25 55.2,36.4 65.6,36.4 65.6,51.2 70.1,51.2 70.1,55.05 77.7,55.05 77.7,59 80.7,59 80.7,61.35 83.2,61.35 ; 83.2,75 83.2,61.35 ; 93.8,59.9 93.8,64.3 99.8,64.3 99.8,63.1 109.3,63.1 109.3,61.8 108.6,61.8 108.6,48.5 109.3,48.5 109.3,47.1 108.6,47.1 108.6,42.3 109.2,42.3 109.2,41.1 107.5,41.1 107.5,59 95.2,59 95.2,59.9 88,59.9 88,54.6 88,49.1 82.9,49.1 82.9,41.4 97.5,41.4 97.5,37.2 118.3,37.2 ; 106.7,63.1 106.7,75 ; 113,75 113,52 118.3,52 118.3,29.5 102.6,29.5 102.6,32.4 101.3,32.4 101.3,29.5 89.2,29.5 89.2,32.4 79.2,32.4 79.2,28 76.1,28 76.1,30.5 69.9,30.5 69.9,32.1 68.6,32.1 68.6,30.5 56.7,30.5 56.7,34.6 67.4,34.6 67.4,49.6 72.4,49.6 72.4,51.5 80.8,51.5 80.8,57.7 83.2,57.7 83.2,61.35 ; 29.2,29.2 29.2,31.6 42.3,31.6 42.3,57.6 59.1,57.6 59.1,53.3 57.1,53.3 48.8,53.3 48.8,30.9 31.2,30.9 31.2,29.2 29.2,29.2

## Silkscreen, mask and mechanical layers (free items; w line width, h text height)
Top Overlay:
  lines w0.2: 111.9,40.1 117.3,40.1 117.3,36.7 111.9,36.7 111.9,40.1 ; 111.9,40.1 118.5,40.1 118.5,45.3 111.9,45.3 111.9,40.1 ; 104.2,65.8 106.5,65.8 106.5,70.4 104.2,70.4 104.2,65.8 ; 107.102,67.318 109.702,67.318 109.702,73.742 107.102,73.742 107.102,67.318
  text "VIN" at 61.146,74.913 h0.8 r180
  text "GND" at 66.48,74.913 h0.8 r180
  text "GND" at 77.986,74.913 h0.8 r180
  text "VOUT" at 73.262,74.888 h0.8 r180
  text "ON" at 48.2,73.8 h1.2 r270
  text "CANH" at 113.975,66.825 h0.8 r90
  text "CANL" at 118.875,66.825 h0.8 r90
  text "OFF" at 48.2,64.5 h1.2 r270
  text "第十八届智能汽车竞赛 / 单车越野N车模 / CH32V307双FOC驱动" at 53.888,41.179 h1.6
  text "RST" at 117.525,32.625 h0.8
  text "SWDIO" at 74.675,31.125 h0.8 r90
  text "SWCLK" at 75.975,31.125 h0.8 r90
  text "GND" at 77.275,31.125 h0.8 r90
  text "3V3" at 78.575,31.125 h0.8 r90
  text "KEY" at 117.525,27.625 h0.8
Bottom Overlay:
  text "GND" at 90.975,73.225 h0.8
  text "VCC" at 93.575,73.225 h0.8
  text "PWM" at 96.275,73.225 h0.8
  text "GND" at 100.575,73.225 h0.8
  text "RX" at 102.875,73.225 h0.8
  text "TX" at 105.475,73.225 h0.8
  text "U1" at 28.452,61.168 h0.8 r270
  text "V1" at 28.452,55.707 h0.8 r270
  text "W1" at 28.452,50.144 h0.8 r270
  text "U2" at 28.452,44.505 h0.8 r270
  text "V2" at 28.452,38.968 h0.8 r270
  text "W2" at 28.452,33.431 h0.8 r270
  text "A/H1" at 61.661,28.075 h0.8 r90
  text "B/H2" at 62.961,28.075 h0.8 r90
  text "Z/H3" at 64.261,28.075 h0.8 r90
  text "GND" at 65.575,28.075 h0.8 r90
  text "3V3" at 66.875,28.075 h0.8 r90
  text "5V" at 68.175,28.075 h0.8 r90
  text "A/H1" at 94.161,28.075 h0.8 r90
  text "B/H2" at 95.461,28.075 h0.8 r90
  text "Z/H3" at 96.761,28.075 h0.8 r90
  text "GND" at 98.075,28.075 h0.8 r90
  text "3V3" at 99.375,28.075 h0.8 r90
  text "5V" at 100.675,28.075 h0.8 r90
Top Solder:
  rectangle: 70,70 74,74
  rectangle: 75,70 79,74
  rectangle: 63.5,70 67.5,74
  rectangle: 58.5,70 62.5,74
Bottom Solder:
  rectangle: 29.7,38 33.2,41
  rectangle: 29.7,60 33.2,63
  rectangle: 29.7,54.5 33.2,57.5
  rectangle: 29.7,49 33.2,52
  rectangle: 29.7,43.5 33.2,46.5
  rectangle: 29.7,32.5 33.2,35.5
Mechanical 1:
  the board outline again, w0.254